# Altium PCB miniBackplane.PcbDoc (part 21 of 24) (continued)
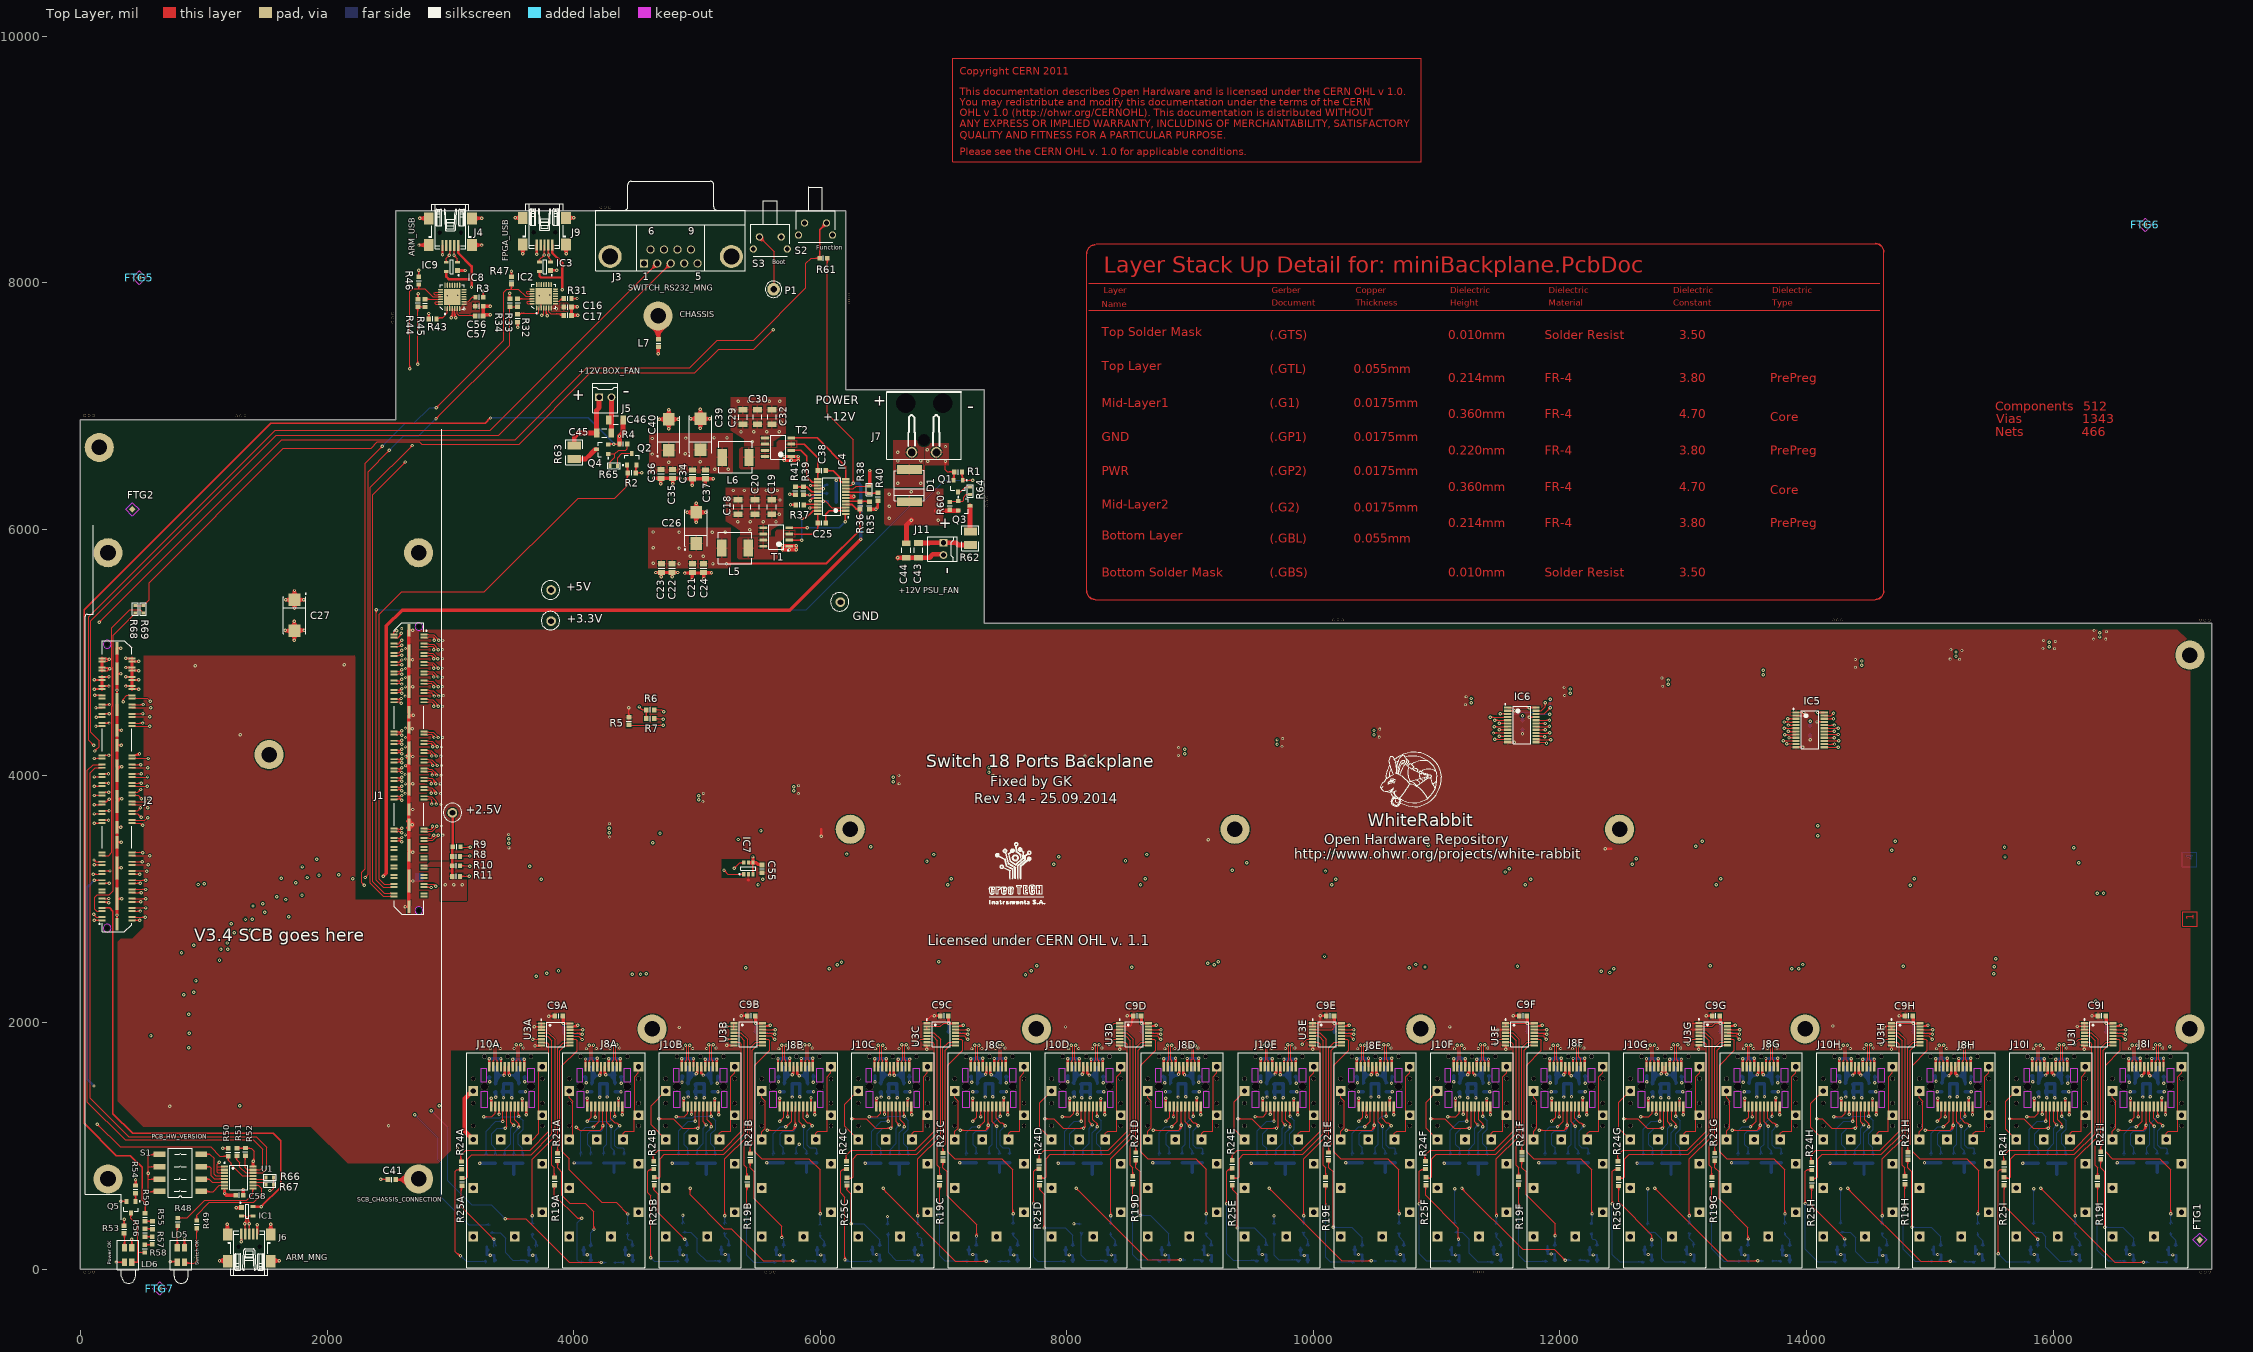
[diagram p0: Top Layer view]
## Nets (pads, with @x,y where several pads share a name; then routed paths per layer and width w, separated by ;. In a path a pad name is that pad's centre, name@x,y a point inside that pad or via, vN(x,y) a via of type N, cw(c..) or ccw(c..) an arc to the next point about the centre after c; other vN are vias at no path point) (continued)
  Bottom Layer w7.87: v1(15555.69,122.52) 15619.15,59.06 LD4I.2@15817.97,59.06 ; 15572.49,105.72 ccw(c15555.69,88.92) 15555.69,112.68 cw(c15555.69,88.92) 15572.49,105.72 ; 15572.49,105.72 cw(c15589.3,122.52) 15565.54,122.52 ccw(c15589.3,122.52) 15572.49,105.72 ; 15784.7,59.06 ccw(c15784.7,88.39) 15805.44,67.65 cw(c15784.7,88.39) 15784.7,59.06 ; 15784.7,59.06 cw(c15784.7,21.86) 15811.01,48.17 ccw(c15784.7,21.86) 15784.7,59.06 ; 15765.69,59.06 cw(c15765.69,2.85) 15805.44,42.6 ccw(c15765.69,2.85) 15765.69,59.06
NetLD4I_3: LD4I.3 R25I.2 | length 1132.9
  Top Layer w7.87: 15605.69,662.13 15605.69,513.46 v1(15877.02,242.13) ; 15861.55,256.12 cw(c15856.68,237.97) v1@15875.09,241.74 ; 15863.03,257.61 ccw(c15881.19,262.48) v1@15877.42,244.06 ; 15605.69,662.12 ccw(c15599.64,662.12) 15601.39,667.92 cw(c15599.64,662.12) 15605.69,662.12 ; 15605.69,662.12 cw(c15612.04,662.12) 15609.93,668.11 ccw(c15612.04,662.12) 15605.69,662.12 ; 15860.22,258.94 ccw(c15877.02,275.74) 15877.02,251.98 cw(c15877.02,275.74) 15860.22,258.94 ; 15860.22,258.94 cw(c15843.42,242.13) 15867.18,242.13 ccw(c15843.42,242.13) 15860.22,258.94 ; R25I.2@15595.63,671.37 cw(c15571.32,647.06) 15605.69,647.06 ccw(c15571.32,647.06) R25I.2@15595.63,671.37 ; 15605.69,648.62 cw(c15637.86,648.62) 15615.11,671.37 ccw(c15637.86,648.62) 15605.69,648.62
  Bottom Layer w7.87: LD4I.3@15877.02,177.17 v1(15877.02,242.13) ; 15877.02,204.87 ccw(c15900.79,204.87) 15883.98,188.07 cw(c15900.79,204.87) 15877.02,204.87 ; 15877.02,204.87 cw(c15853.26,204.87) 15870.06,188.07 ccw(c15853.26,204.87) 15877.02,204.87 ; 15877.02,218.37 ccw(c15853.26,218.37) 15870.06,235.17 cw(c15853.26,218.37) 15877.02,218.37 ; 15877.02,218.37 cw(c15900.79,218.37) 15883.98,235.17 ccw(c15900.79,218.37) 15877.02,218.37 ; 15877.02,223.88 ccw(c15919.79,223.88) 15889.55,193.64 cw(c15919.79,223.88) 15877.02,223.88 ; 15877.02,223.88 cw(c15834.25,223.88) 15864.5,193.64 ccw(c15834.25,223.88) 15877.02,223.88
NetLD5_2: LD5.2 R49.2 | length 611.9
  Top Layer w7.87: LD5.2@844.53,59.94 856.47,48 923,48 944,69 R49.2@944,330.5 ; LD5.2@850.78,40.13 cw(c869.79,21.12) 869.79,48 ; LD5.2@851.49,59.03 ccw(c878.12,85.66) 878.12,48 ; LD5.2@856.35,34.56 cw(c888.8,2.11) 888.8,48 ; LD5.2@856.35,59.61 ccw(c884.39,87.65) 884.39,48 ; LD5.2@857.06,39.54 cw(c877.47,19.13) 877.47,48 ; LD5.2@857.06,64.6 ccw(c897.13,104.67) 897.13,48 ; R49.2@934.26,320.76 cw(c910.73,297.24) 944,297.24 cw(c977.27,297.24) R49.2@953.74,320.76
NetLD5_3: LD5.3 R48.2 | length 519.2
  Top Layer w7.87: LD5.3@772.24,193.47 ccw(c740.28,225.43) 785.47,225.43 ; LD5.3@772.94,198.46 ccw(c742.7,228.7) 785.47,228.7 ccw(c828.24,228.7) LD5.3@798,198.46 ; LD5.3@777.8,187.9 ccw(c759.29,206.42) 785.47,206.42 ; LD5.3@778.51,192.89 ccw(c761.71,209.69) 785.47,209.69 ccw(c809.23,209.69) LD5.3@792.43,192.89 ; LD5.3@785.47,178.06 785.47,347.98 R48.2@789,351.5 ; 785.47,203 ccw(c806.81,203) LD5.3@791.72,187.9 ; 785.47,222.01 ccw(c825.82,222.01) LD5.3@797.29,193.47 ; R48.2@777.29,341.76 cw(c757.53,322) 785.47,322 ccw(c757.53,322) R48.2@777.29,341.76 ; 785.47,314.47 cw(c824.06,314.47) 796.78,341.76 ccw(c824.06,314.47) 785.47,314.47 ; 785.47,333.48 cw(c805.05,333.48) 791.21,347.33 ccw(c805.05,333.48) 785.47,333.48
NetLD6_2: LD6.2 Q5.2 R58.2 | length 915.8
  Top Layer w7.87: Q5.2@410,454.76 410,411 466,355 466,135 ; LD6.2@416.53,56.94 464.94,56.94 466,58 466,135 ; LD6.2@423.49,48 cw(c445.08,26.41) 445.08,56.94 ; LD6.2@423.49,49.99 cw(c440.29,33.18) 440.29,56.94 cw(c440.29,80.71) LD6.2@423.49,63.9 ; LD6.2@429.06,42.43 cw(c464.09,7.4) 464.09,56.94 ; LD6.2@429.06,44.42 cw(c459.3,14.17) 459.3,56.94 cw(c459.3,99.72) LD6.2@429.06,69.47 ; LD6.2@429.06,67.49 ccw(c454.51,92.94) 454.51,56.94 ; R58.2@522,134.5 466.5,134.5 466,135 ; 410,422.3 ccw(c381.49,422.3) 401.65,442.47 cw(c381.49,422.3) 410,422.3 ; 410,422.3 cw(c438.51,422.3) 418.35,442.47 ccw(c438.51,422.3) 410,422.3 ; 486.76,134.5 ccw(c486.76,167.77) 510.29,144.25 cw(c486.76,167.77) 486.76,134.5 ; 486.76,134.5 cw(c486.76,101.24) 510.29,124.76 ccw(c486.76,101.24) 486.76,134.5
NetLD6_3: LD6.3 R53.2 | length 459.9
  Top Layer w7.87: LD6.3@344.94,193.47 ccw(c314.7,223.72) 357.47,223.72 ccw(c400.24,223.72) LD6.3@370,193.47 ; LD6.3@344.94,195.46 ccw(c314.7,225.7) 357.47,225.7 ccw(c400.24,225.7) LD6.3@370,195.46 ; LD6.3@350.51,187.9 ccw(c333.71,204.71) 357.47,204.71 ccw(c381.23,204.71) LD6.3@364.43,187.9 ; LD6.3@350.51,189.89 ccw(c333.71,206.69) 357.47,206.69 ccw(c381.23,206.69) LD6.3@364.43,189.89 ; R53.2@354,289.5 357.47,286.03 LD6.3@357.47,175.06 ; R53.2@346.22,279.76 cw(c319.07,252.61) 357.47,252.61 ccw(c319.07,252.61) R53.2@346.22,279.76 ; R53.2@351.79,285.33 cw(c338.08,271.62) 357.47,271.62 ccw(c338.08,271.62) R53.2@351.79,285.33 ; 357.47,259.87 cw(c385.6,259.87) 365.71,279.76 ccw(c385.6,259.87) 357.47,259.87
NetP1_1: P1.1 R68.1 R69.1 S3.2 | length 7562.5
  Top Layer w6: R68.1@444,5380.51 508.98,5380.51 557,5428.53 557,5568 1647,6658 2358,6658 2409,6709 2748,6709 2767,6690 3559,6690 4137,7268 4984,7268 5178,7462 5462,7462 5618,7618 v1(5620,7618)
  Top Layer w7.87: S3.2@5493.34,8369.24 ccw(c5526.23,8375.97) 5517.54,8343.54 ; S3.2@5501.05,8370.82 ccw(c5540.18,8378.83) 5529.84,8340.24 ; S3.2@5506.81,8370.03 cw(c5506.51,8345.84) 5529.88,8352.1 ; S3.2@5506.83,8372 5629,8249.83 5629,7954 P1.1@5622,7947 ; S3.2@5508.02,8377.79 cw(c5500.01,8338.65) 5538.59,8348.99 ; S3.2@5508.8,8372.02 ccw(c5532.99,8372.32) 5526.73,8348.95 ; S3.2@5509.6,8385.5 cw(c5502.86,8352.61) 5535.29,8361.3 ; 5537.08,8341.76 ccw(c5506.83,8311.51) 5506.83,8354.28 cw(c5506.83,8311.51) 5537.08,8341.76 ; 5537.08,8341.76 cw(c5567.32,8372) 5524.55,8372 ccw(c5567.32,8372) 5537.08,8341.76 ; 5550.52,8328.31 ccw(c5506.83,8284.63) 5506.83,8346.41 cw(c5506.83,8284.63) 5550.52,8328.31 ; 5550.52,8328.31 cw(c5594.21,8372) 5532.43,8372 ccw(c5594.21,8372) 5550.52,8328.31
  Mid-Layer 1 w6: v1(5620,7618) 5620,7945 P1.1@5622,7947
NetQ1_2: Q1.2 R64.2 | length 114.5
  Top Layer w7.87: Q1.2@7119,6303.76 7140.65,6303.76 7180.41,6343.51 R64.2@7217,6343.51
NetQ2_2: Q2.2 R65.2 | length 196
  Top Layer w7.87: R65.2@4357.51,6514 4357.51,6581.51 4391.24,6615.24 Q2.2@4472,6615.24
NetQ3_1: Q3.1 R60.2 R64.1 | length 206.5
  Top Layer w7.87: R60.2@7051,6221.5 7057.71,6228.21 Q3.1@7120.17,6228.21 7155.21,6228.21 7163,6236 7163,6262 7183.49,6282.49 R64.1@7217,6282.49
NetQ3_2: Q3.2 R62.1 | length 210.5
  Top Layer w39.37: Q3.2@7214.66,6190.81 7214.66,5986.46 R62.1@7219,5982.12
NetQ4_1: Q4.1 R4.2 R65.1 | length 322.3
  Top Layer w7.87: Q4.1@4281.24,6611.6 4334.6,6611.6 ; R65.1@4296.49,6514 4296.49,6547.49 4334.6,6585.6 4334.6,6611.6 ; R4.2@4435.5,6692 4435.5,6655.5 4423,6643 4366,6643 4334.6,6611.6
NetQ4_2: Q4.2 R63.1 | length 214.5
  Top Layer w39.37: R63.1@4005,6569.88 4098.88,6569.88 4178,6649 Q4.2@4186.76,6649
NetQ5_1: Q5.1 R59.1 | length 259.5
  Top Layer w7.87: R59.1@447,614.5 447,549.65 Q5.1@447.4,549.24 ; 447,581.24 ccw(c413.73,581.24) 437.26,604.76 cw(c413.73,581.24) 447,581.24 ; 447,581.24 cw(c480.27,581.24) 456.74,604.76 ccw(c480.27,581.24) 447,581.24 ; Q5.1@439.05,561.53 ccw(c419.86,580.73) 447,580.73 cw(c419.86,580.73) Q5.1@439.05,561.53 ; 447,582.66 ccw(c476.89,582.66) 455.75,561.53 cw(c476.89,582.66) 447,582.66
NetR20A_1: R20A.1 U3A.13 | length 400.4
  Top Layer w7.87: U3A.13@3972.78,1912.79 v1@4061.83,1912.79 ; 4044.26,1908.2 ccw(c4052.3,1922.12) v1@4063.72,1910.82 ; 4053.1,1903.1 ccw(c4059.8,1914.7) v1@4069.32,1905.28 ; v1@4061.08,1901.95 ccw(c4047.75,1899.27) 4054.55,1911.04 ccw(c4059.14,1919) v1@4064.74,1911.71 ; U3A.13@3993.98,1918.24 ccw(c4007.13,1931.39) 4007.13,1912.79 cw(c4007.13,1931.39) U3A.13@3993.98,1918.24 ; 4025.5,1912.79 cw(c4025.5,1858.67) 4063.76,1896.94 ccw(c4025.5,1858.67) 4025.5,1912.79 ; 4044.51,1912.79 cw(c4044.51,1877.68) 4069.33,1902.51 ccw(c4044.51,1877.68) 4044.51,1912.79
  Bottom Layer w7.87: R20A.1@3990.72,1908.9 v1@4071.61,1908.9
  other v1: 4070.72,1903.9
NetR20B_1: R20B.1 U3B.13 | length 507.5
  Top Layer w7.87: U3B.13@5534.24,1914.44 v1@5623.29,1914.44 ; 5605.72,1909.85 ccw(c5613.75,1923.77) v1@5625.18,1912.47 ; 5614.55,1904.75 ccw(c5621.25,1916.36) v1@5630.78,1906.94 ; v1@5622.53,1903.61 ccw(c5609.21,1900.92) 5616,1912.7 ccw(c5620.6,1920.66) v1@5626.19,1913.36 ; U3B.13@5555.43,1919.89 ccw(c5568.59,1933.04) 5568.59,1914.44 cw(c5568.59,1933.04) U3B.13@5555.43,1919.89 ; 5586.96,1914.44 cw(c5586.96,1860.33) 5625.22,1898.59 ccw(c5586.96,1860.33) 5586.96,1914.44 ; 5605.97,1914.44 cw(c5605.97,1879.34) 5630.79,1904.16 ccw(c5605.97,1879.34) 5605.97,1914.44
  Bottom Layer w7.87: R20B.1@5538.68,1915.55 5622.18,1915.55 ; 5571.94,1915.55 ccw(c5571.94,1882.28) 5548.42,1905.81 cw(c5571.94,1882.28) 5571.94,1915.55 ; 5571.94,1915.55 cw(c5571.94,1948.82) 5548.42,1925.29 ccw(c5571.94,1948.82) 5571.94,1915.55
  other v1: 5632.18,1905.55
NetR20C_1: R20C.1 U3C.13 | length 507.5
  Top Layer w7.87: U3C.13@7099.24,1914.45 v1@7188.29,1914.45 ; 7170.72,1909.86 ccw(c7178.75,1923.78) v1@7190.18,1912.48 ; 7179.55,1904.76 ccw(c7186.25,1916.36) v1@7195.78,1906.94 ; v1@7187.53,1903.62 ccw(c7174.21,1900.93) 7181,1912.7 ccw(c7185.6,1920.66) v1@7191.19,1913.37 ; U3C.13@7120.43,1919.9 ccw(c7133.59,1933.05) 7133.59,1914.45 cw(c7133.59,1933.05) U3C.13@7120.43,1919.9 ; 7151.96,1914.45 cw(c7151.96,1860.34) 7190.22,1898.6 ccw(c7151.96,1860.34) 7151.96,1914.45 ; 7170.97,1914.45 cw(c7170.97,1879.35) 7195.79,1904.17 ccw(c7170.97,1879.35) 7170.97,1914.45
  Bottom Layer w7.87: R20C.1@7103.68,1915.56 7187.18,1915.56 ; 7136.94,1915.56 ccw(c7136.94,1882.29) 7113.42,1905.82 cw(c7136.94,1882.29) 7136.94,1915.56 ; 7136.94,1915.56 cw(c7136.94,1948.83) 7113.42,1925.3 ccw(c7136.94,1948.83) 7136.94,1915.56
  other v1: 7197.18,1905.56
NetR20D_1: R20D.1 U3D.13 | length 507.5
  Top Layer w7.87: U3D.13@8664.24,1914.45 v1@8753.29,1914.45 ; 8735.72,1909.86 ccw(c8743.75,1923.78) v1@8755.18,1912.48 ; 8744.55,1904.76 ccw(c8751.25,1916.36) v1@8760.78,1906.94 ; v1@8752.53,1903.62 ccw(c8739.21,1900.93) 8746,1912.7 ccw(c8750.6,1920.66) v1@8756.19,1913.37 ; U3D.13@8685.43,1919.9 ccw(c8698.59,1933.05) 8698.59,1914.45 cw(c8698.59,1933.05) U3D.13@8685.43,1919.9 ; 8716.96,1914.45 cw(c8716.96,1860.34) 8755.22,1898.6 ccw(c8716.96,1860.34) 8716.96,1914.45 ; 8735.97,1914.45 cw(c8735.97,1879.35) 8760.79,1904.17 ccw(c8735.97,1879.35) 8735.97,1914.45
  Bottom Layer w7.87: R20D.1@8668.68,1915.56 8752.18,1915.56 ; 8701.94,1915.56 ccw(c8701.94,1882.29) 8678.42,1905.82 cw(c8701.94,1882.29) 8701.94,1915.56 ; 8701.94,1915.56 cw(c8701.94,1948.83) 8678.42,1925.3 ccw(c8701.94,1948.83) 8701.94,1915.56
  other v1: 8762.18,1905.56
NetR20E_1: R20E.1 U3E.13 | length 507.5
  Top Layer w7.87: U3E.13@10229.24,1914.45 v1@10318.29,1914.45 ; 10300.72,1909.86 ccw(c10308.75,1923.78) v1@10320.18,1912.48 ; 10309.55,1904.76 ccw(c10316.25,1916.36) v1@10325.78,1906.94 ; v1@10317.53,1903.62 ccw(c10304.21,1900.93) 10311,1912.7 ccw(c10315.6,1920.66) v1@10321.19,1913.37 ; U3E.13@10250.43,1919.9 ccw(c10263.59,1933.05) 10263.59,1914.45 cw(c10263.59,1933.05) U3E.13@10250.43,1919.9 ; 10281.96,1914.45 cw(c10281.96,1860.34) 10320.22,1898.6 ccw(c10281.96,1860.34) 10281.96,1914.45 ; 10300.97,1914.45 cw(c10300.97,1879.35) 10325.79,1904.17 ccw(c10300.97,1879.35) 10300.97,1914.45
  Bottom Layer w7.87: R20E.1@10233.68,1915.56 10317.18,1915.56 ; 10266.94,1915.56 ccw(c10266.94,1882.29) 10243.42,1905.82 cw(c10266.94,1882.29) 10266.94,1915.56 ; 10266.94,1915.56 cw(c10266.94,1948.83) 10243.42,1925.3 ccw(c10266.94,1948.83) 10266.94,1915.56
  other v1: 10327.18,1905.56
NetR20F_1: R20F.1 U3F.13 | length 507.5
  Top Layer w7.87: U3F.13@11793.8,1914.45 v1@11882.86,1914.45 ; 11865.28,1909.86 ccw(c11873.32,1923.78) v1@11884.75,1912.48 ; 11874.12,1904.76 ccw(c11880.82,1916.36) v1@11890.35,1906.94 ; v1@11882.1,1903.62 ccw(c11868.78,1900.93) 11875.57,1912.7 ccw(c11880.17,1920.66) v1@11885.76,1913.37 ; U3F.13@11815,1919.9 ccw(c11828.15,1933.05) 11828.15,1914.45 cw(c11828.15,1933.05) U3F.13@11815,1919.9 ; 11846.52,1914.45 cw(c11846.52,1860.34) 11884.79,1898.6 ccw(c11846.52,1860.34) 11846.52,1914.45 ; 11865.53,1914.45 cw(c11865.53,1879.35) 11890.36,1904.17 ccw(c11865.53,1879.35) 11865.53,1914.45
  Bottom Layer w7.87: R20F.1@11798.24,1915.56 11881.75,1915.56 ; 11831.51,1915.56 ccw(c11831.51,1882.29) 11807.99,1905.82 cw(c11831.51,1882.29) 11831.51,1915.56 ; 11831.51,1915.56 cw(c11831.51,1948.83) 11807.99,1925.3 ccw(c11831.51,1948.83) 11831.51,1915.56
  other v1: 11891.75,1905.56
NetR20G_1: R20G.1 U3G.13 | length 527.2
  Top Layer w7.87: U3G.13@13358.8,1914.45 v1@13447.86,1914.45 ; U3G.13@13383.67,1915.16 cw(c13388.86,1910.82) 13392.24,1916.68 ; 13430.28,1909.86 ccw(c13438.32,1923.78) v1@13449.75,1912.48 ; 13439.12,1904.76 ccw(c13445.82,1916.36) v1@13455.35,1906.94 ; v1@13447.1,1903.62 ccw(c13433.78,1900.93) 13440.57,1912.7 ccw(c13445.17,1920.66) v1@13450.76,1913.37 ; U3G.13@13383.38,1921.79 ccw(c13401.11,1939.53) 13401.11,1914.45 cw(c13401.11,1939.53) U3G.13@13383.38,1921.79 ; 13411.52,1914.45 cw(c13411.52,1860.34) 13449.79,1898.6 ccw(c13411.52,1860.34) 13411.52,1914.45 ; 13430.53,1914.45 cw(c13430.53,1879.35) 13455.36,1904.17 ccw(c13430.53,1879.35) 13430.53,1914.45
  Bottom Layer w7.87: R20G.1@13363.24,1915.56 13446.75,1915.56 ; 13396.51,1915.56 ccw(c13396.51,1882.29) 13372.99,1905.82 cw(c13396.51,1882.29) 13396.51,1915.56 ; 13396.51,1915.56 cw(c13396.51,1948.83) 13372.99,1925.3 ccw(c13396.51,1948.83) 13396.51,1915.56
  other v1: 13456.75,1905.56
NetR20H_1: R20H.1 U3H.13 | length 507.5
  Top Layer w7.87: U3H.13@14923.8,1914.45 v1@15012.86,1914.45 ; 14995.28,1909.86 ccw(c15003.32,1923.78) v1@15014.75,1912.48 ; 15004.12,1904.76 ccw(c15010.82,1916.36) v1@15020.35,1906.94 ; v1@15012.1,1903.62 ccw(c14998.78,1900.93) 15005.57,1912.7 ccw(c15010.17,1920.66) v1@15015.76,1913.37 ; U3H.13@14945,1919.9 ccw(c14958.15,1933.05) 14958.15,1914.45 cw(c14958.15,1933.05) U3H.13@14945,1919.9 ; 14976.52,1914.45 cw(c14976.52,1860.34) 15014.79,1898.6 ccw(c14976.52,1860.34) 14976.52,1914.45 ; 14995.53,1914.45 cw(c14995.53,1879.35) 15020.36,1904.17 ccw(c14995.53,1879.35) 14995.53,1914.45
  Bottom Layer w7.87: R20H.1@14928.24,1915.56 15011.75,1915.56 ; 14961.51,1915.56 ccw(c14961.51,1882.29) 14937.99,1905.82 cw(c14961.51,1882.29) 14961.51,1915.56 ; 14961.51,1915.56 cw(c14961.51,1948.83) 14937.99,1925.3 ccw(c14961.51,1948.83) 14961.51,1915.56
  other v1: 15021.75,1905.56
NetR20I_1: R20I.1 U3I.13 | length 507.5
  Top Layer w7.87: U3I.13@16488.8,1914.45 v1@16577.86,1914.45 ; 16560.28,1909.86 ccw(c16568.32,1923.78) v1@16579.75,1912.48 ; 16569.12,1904.76 ccw(c16575.82,1916.36) v1@16585.35,1906.94 ; v1@16577.1,1903.62 ccw(c16563.78,1900.93) 16570.57,1912.7 ccw(c16575.17,1920.66) v1@16580.76,1913.37 ; U3I.13@16510,1919.9 ccw(c16523.15,1933.05) 16523.15,1914.45 cw(c16523.15,1933.05) U3I.13@16510,1919.9 ; 16541.52,1914.45 cw(c16541.52,1860.34) 16579.79,1898.6 ccw(c16541.52,1860.34) 16541.52,1914.45 ; 16560.53,1914.45 cw(c16560.53,1879.35) 16585.36,1904.17 ccw(c16560.53,1879.35) 16560.53,1914.45
  Bottom Layer w7.87: R20I.1@16493.24,1915.56 16576.75,1915.56 ; 16526.51,1915.56 ccw(c16526.51,1882.29) 16502.99,1905.82 cw(c16526.51,1882.29) 16526.51,1915.56 ; 16526.51,1915.56 cw(c16526.51,1948.83) 16502.99,1925.3 ccw(c16526.51,1948.83) 16526.51,1915.56
  other v1: 16586.75,1905.56
NetR54_2: R54.2 R55.1 | length 303
  Top Layer w7.87: R54.2@524,388.5 581.99,388.5 R55.1@584,386.5 ; 559.24,388.5 ccw(c559.24,355.24) 535.71,378.76 cw(c559.24,355.24) 559.24,388.5 ; 559.24,388.5 cw(c559.24,421.77) 535.71,398.25 ccw(c559.24,421.77) 559.24,388.5 ; 543.92,388.5 cw(c543.92,348.38) 572.29,376.75 ccw(c543.92,348.38) 543.92,388.5 ; 553.61,388.5 ccw(c553.61,414.92) 572.29,396.24 cw(c553.61,414.92) 553.61,388.5 ; 562.93,388.5 cw(c562.93,367.39) 577.86,382.32 ccw(c562.93,367.39) 562.93,388.5
NetR55_2: R55.2 R56.1 | length 302.9
  Top Layer w7.87: R56.1@524,325.5 582.01,325.5 R55.2@584,323.5 ; 559.24,325.5 ccw(c559.24,292.23) 535.71,315.75 cw(c559.24,292.23) 559.24,325.5 ; 559.24,325.5 cw(c559.24,358.76) 535.71,335.24 ccw(c559.24,358.76) 559.24,325.5 ; 543.96,325.5 cw(c543.96,285.43) 572.29,313.76 ccw(c543.96,285.43) 543.96,325.5 ; 553.57,325.5 ccw(c553.57,351.96) 572.29,333.25 cw(c553.57,351.96) 553.57,325.5 ; 562.96,325.5 cw(c562.96,304.44) 577.86,319.33 ccw(c562.96,304.44) 562.96,325.5
NetR56_2: R56.2 R57.1 | length 267.4
  Top Layer w7.87: R56.2@524,262.5 581.01,262.5 R57.1@582,263.5 ; 559.24,262.5 ccw(c559.24,229.24) 535.71,252.76 cw(c559.24,229.24) 559.24,262.5 ; 559.24,262.5 cw(c559.24,295.77) 535.71,272.25 ccw(c559.24,295.77) 559.24,262.5 ; 544.37,262.5 ccw(c544.37,299.16) 570.29,273.24 cw(c544.37,299.16) 544.37,262.5 ; 549.16,262.5 cw(c549.16,232.62) 570.29,253.75 ccw(c549.16,232.62) 549.16,262.5
NetR57_2: R57.2 R58.1 | length 422.5
  Top Layer w7.87: R58.1@522,197.5 578.99,197.5 R57.2@582,200.5 ; R58.1@533.78,207.17 ccw(c549.01,222.18) 554.54,201.53 ; R58.1@533.78,207.17 ccw(c549.01,222.18) 554.54,201.53 ; R58.1@533.78,207.17 ccw(c549.01,222.18) 554.54,201.53 ; R58.1@535.9,190.61 cw(c552.82,180.84) 547.77,199.71 ; R58.1@535.9,190.61 cw(c552.82,180.84) 547.77,199.71 ; R58.1@535.9,190.61 cw(c552.82,180.84) 547.77,199.71 ; 557.24,197.5 ccw(c557.24,164.23) 533.71,187.75 cw(c557.24,164.23) 557.24,197.5 ; 557.24,197.5 cw(c557.24,230.76) 533.71,207.24 ccw(c557.24,230.76) 557.24,197.5 ; R58.1@539.5,197.5 ccw(c539.5,241.03) 570.29,210.25 cw(c539.5,241.03) R58.1@539.5,197.5 ; 554.03,197.5 cw(c554.03,174.5) 570.29,190.76 ccw(c554.03,174.5) 554.03,197.5 ; 558.51,197.5 ccw(c558.51,222.02) 575.86,204.68 cw(c558.51,222.02) 558.51,197.5
NetR66_1: R66.1 U1.12 | length 111.1
  Top Layer w7.87: U1.12@1401.14,729.2 1492.69,729.2 R66.1@1506.49,743
NetR67_1: R67.1 U1.11 | length 111.6
  Top Layer w7.87: U1.11@1401.14,703.61 1487.87,703.61 R67.1@1505.49,686
PCB_HW_V_0: S1.1 U1.7 | length 425.5
  Top Layer w7.87: S1.1@1016,629 1078,629 1127.02,678.02 U1.7@1168.86,678.02 ; 1137.29,678.02 ccw(c1137.29,689.9) 1145.69,681.5 cw(c1137.29,689.9) 1137.29,678.02 ; 1137.29,678.02 cw(c1137.29,666.14) 1145.69,674.54 ccw(c1137.29,666.14) 1137.29,678.02 ; S1.1@1013.22,622.76 cw(c1028.28,607.7) 1028.28,629 ccw(c1028.28,607.7) S1.1@1013.22,622.76 ; S1.1@1013.22,637.24 ccw(c1033.11,657.13) 1033.11,629 cw(c1033.11,657.13) S1.1@1013.22,637.24 ; S1.1@1018.79,617.19 cw(c1047.29,588.69) 1047.29,629 ccw(c1047.29,588.69) S1.1@1018.79,617.19 ; S1.1@1018.79,642.81 ccw(c1052.12,676.14) 1052.12,629 cw(c1052.12,676.14) S1.1@1018.79,642.81
PCB_HW_V_1: S1.2 U1.6 | length 349.6
  Top Layer w7.87: S1.2@1016,729 1045,729 ; U1.6@1168.86,703.61 1070.39,703.61 1045,729 ; 1045,729 ccw(c1045,694.08) 1019.31,717.73 cw(c1045,694.08) 1045,729 ; 1045,729 cw(c1045,760.27) 1020.29,741.1 ccw(c1045,760.27) 1045,729 ; 1137.29,703.61 ccw(c1137.29,715.49) 1145.69,707.09 cw(c1137.29,715.49) 1137.29,703.61 ; 1137.29,703.61 cw(c1137.29,691.73) 1145.69,700.13 ccw(c1137.29,691.73) 1137.29,703.61 ; S1.2@1014.07,736.27 ccw(c1028.92,747.8) 1028.92,729 cw(c1028.92,747.8) S1.2@1014.07,736.27
PCB_HW_V_2: S1.3 U1.5 | length 466.3
  Top Layer w7.87: S1.3@1016,829 1049,829 ; U1.5@1168.86,729.2 1166.06,732 1086,732 1062,756 1062,816 1049,829 ; 1049,829 cw(c1049,868.85) 1019.42,842.14 ccw(c1049,868.85) 1049,829 ; S1.3@1013.22,822.76 cw(c1028.28,807.7) 1028.28,829 ccw(c1028.28,807.7) S1.3@1013.22,822.76 ; S1.3@1013.58,836.86 ccw(c1031.27,852.84) 1031.27,829 cw(c1031.27,852.84) S1.3@1013.58,836.86 ; S1.3@1018.79,817.19 cw(c1047.29,788.69) 1047.29,829 ccw(c1047.29,788.69) S1.3@1018.79,817.19 ; 1130.54,732 cw(c1130.54,710.58) 1145.69,725.72 ccw(c1130.54,710.58) 1130.54,732
PCB_HW_V_3: S1.4 U1.4 | length 512.3
  Top Layer w7.87: S1.4@1016,929 1019.36,932.36 1050.64,932.36 ; U1.4@1168.86,754.8 1098.2,754.8 1085,768 1085,898 1050.64,932.36 ; 1050.64,932.36 ccw(c1050.64,891.52) 1019.7,918.18 cw(c1050.64,891.52) 1050.64,932.36 ; 1137.29,754.8 ccw(c1137.29,766.68) 1145.69,758.28 cw(c1137.29,766.68) 1137.29,754.8 ; 1137.29,754.8 cw(c1137.29,742.91) 1145.69,751.32 ccw(c1137.29,742.91) 1137.29,754.8 ; S1.4@1013.74,923.32 cw(c1033.46,906.32) 1033.46,932.36 ccw(c1033.46,906.32) S1.4@1013.74,923.32 ; S1.4@1018.79,942.81 ccw(c1044.01,968.03) 1044.01,932.36 cw(c1044.01,968.03) S1.4@1018.79,942.81
RS232_MNG_RXD: J2.3 J3.3 | length 9524.6
  Top Layer w7.87: v1@106.11,2874.57 cw(c102.33,2856.16) 120.49,2861.02 ; v1(106.5,2876.5) 129.21,2853.79 J2.3@174.94,2853.79 ; v1@108.43,2876.89 ccw(c126.84,2880.67) 121.98,2862.51 ; v1@114.61,4203.93 ccw(c110.83,4222.34) 128.99,4217.48 ; v1(115,4202) 151,4238 151,4285 83,4353 83,5258 1587,6762 3392.92,6762 J3.3@4788,8157.08 ; v1@116.93,4201.61 cw(c135.34,4197.83) 130.48,4215.99 ; 4749.67,8123.51 cw(c4797.5,8110.7) J3.3@4787.57,8159.2 ; 4752.97,8135.82 cw(c4794.64,8124.65) J3.3@4785.99,8166.91 ; 4754.43,8118.75 ccw(c4741.62,8166.58) J3.3@4790.12,8156.64 ; 4758.54,8127.73 ccw(c4750.24,8158.72) J3.3@4782.3,8157.33 ; 4758.65,8127.62 cw(c4789.65,8119.32) J3.3@4788.25,8151.38 ; 4766.74,8122.05 ccw(c4755.57,8163.72) J3.3@4797.84,8155.06 ; 123.3,2859.7 ccw(c106.5,2842.9) 106.5,2866.66 cw(c106.5,2842.9) 123.3,2859.7 ; 123.3,2859.7 cw(c140.1,2876.5) 116.34,2876.5 ccw(c140.1,2876.5) 123.3,2859.7 ; 131.8,4218.8 ccw(c148.6,4202) 124.84,4202 cw(c148.6,4202) 131.8,4218.8 ; 131.8,4218.8 cw(c115,4235.6) 115,4211.84 ccw(c115,4235.6) 131.8,4218.8 ; 144.77,2853.79 ccw(c144.77,2863.3) 151.49,2856.58 cw(c144.77,2863.3) 144.77,2853.79 ; 144.77,2853.79 cw(c144.77,2844.29) 151.49,2851.01 ccw(c144.77,2844.29) 144.77,2853.79 ; 4737.93,8107.01 ccw(c4687.86,8157.08) 4758.67,8157.08 cw(c4687.86,8157.08) 4737.93,8107.01 ; 4737.93,8107.01 cw(c4788,8056.94) 4788,8127.75 ccw(c4788,8056.94) 4737.93,8107.01 ; 4751.37,8120.45 ccw(c4714.74,8157.08) 4766.54,8157.08 cw(c4714.74,8157.08) 4751.37,8120.45 ; 4751.37,8120.45 cw(c4788,8083.82) 4788,8135.62 ccw(c4788,8083.82) 4751.37,8120.45
  Mid-Layer 1 w7.09: v1(106.5,2876.5) 78,2905 78,4165 v1(115,4202) ; 89.03,2893.97 ccw(c106.5,2911.45) 106.5,2886.74 cw(c106.5,2911.45) 89.03,2893.97 ; 89.03,2893.97 cw(c71.55,2876.5) 96.26,2876.5 ccw(c71.55,2876.5) 89.03,2893.97 ; 97.53,4184.53 ccw(c80.05,4202) 104.76,4202 cw(c80.05,4202) 97.53,4184.53 ; 97.53,4184.53 cw(c115,4167.05) 115,4191.76 ccw(c115,4167.05) 97.53,4184.53
RS232_MNG_TXD: J2.1 J3.2 | length 9431.5
  Top Layer w7.87: 92.52,4260.99 cw(c87.66,4242.83) v1@106.07,4246.61 ; 94.01,4262.48 ccw(c112.17,4267.34) v1@108.39,4248.93 ; v1(108,4247) 66,4289 66,5289 1580,6803 3324.87,6803 J3.2@4678.94,8157.08 ; v1@110,2828 v1(110.79,2828.79) J2.1@174.94,2828.79 ; 4640.62,8123.51 cw(c4688.44,8110.7) J3.2@4678.51,8159.2 ; 4643.92,8135.82 cw(c4685.58,8124.65) J3.2@4676.93,8166.91 ; 4645.38,8118.75 ccw(c4632.56,8166.58) J3.2@4681.07,8156.64 ; 4649.49,8127.73 ccw(c4641.18,8158.72) J3.2@4673.24,8157.33 ; 4649.6,8127.62 cw(c4680.59,8119.32) J3.2@4679.19,8151.38 ; 4657.68,8122.05 ccw(c4646.52,8163.72) J3.2@4688.78,8155.06 ; 91.2,4263.8 ccw(c108,4280.6) 108,4256.84 cw(c108,4280.6) 91.2,4263.8 ; 91.2,4263.8 cw(c74.4,4247) 98.16,4247 ccw(c74.4,4247) 91.2,4263.8 ; 134.55,2828.79 ccw(c134.55,2805.03) 117.75,2821.83 cw(c134.55,2805.03) 134.55,2828.79 ; 134.55,2828.79 cw(c134.55,2852.55) 117.75,2835.75 ccw(c134.55,2852.55) 134.55,2828.79 ; 144.77,2828.79 ccw(c144.77,2838.3) 151.49,2831.58 cw(c144.77,2838.3) 144.77,2828.79 ; 144.77,2828.79 cw(c144.77,2819.29) 151.49,2826.01 ccw(c144.77,2819.29) 144.77,2828.79 ; 4628.87,8107.01 ccw(c4578.8,8157.08) 4649.61,8157.08 cw(c4578.8,8157.08) 4628.87,8107.01 ; 4628.87,8107.01 cw(c4678.94,8056.94) 4678.94,8127.75 ccw(c4678.94,8056.94) 4628.87,8107.01 ; 4642.32,8120.45 ccw(c4605.69,8157.08) 4657.49,8157.08 cw(c4605.69,8157.08) 4642.32,8120.45 ; 4642.32,8120.45 cw(c4678.94,8083.82) 4678.94,8135.62 ccw(c4678.94,8083.82) 4642.32,8120.45
  Mid-Layer 1 w7.09: v1(108,4247) 61,4200 61,2878.58 v1(110.79,2828.79) ; 90.53,4229.53 ccw(c73.05,4247) 97.76,4247 cw(c73.05,4247) 90.53,4229.53 ; 90.53,4229.53 cw(c108,4212.05) 108,4236.76 ccw(c108,4212.05) 90.53,4229.53 ; 93.32,2846.27 ccw(c110.79,2863.74) 110.79,2839.03 cw(c110.79,2863.74) 93.32,2846.27 ; 93.32,2846.27 cw(c75.84,2828.79) 100.56,2828.79 ccw(c75.84,2828.79) 93.32,2846.27
SFP0_TX_DISABLEA: J10A.3 U3A.6 | length 1396.8
  Top Layer w7.87: v1(3395.2,1254.43) J10A.3@3395.2,1318.39 ; v1@3669.29,1863.57 U3A.6@3738.53,1863.57 ; 3395.2,1274.6 ccw(c3380.94,1274.6) 3391.02,1284.68 cw(c3380.94,1274.6) 3395.2,1274.6 ; 3395.2,1274.6 cw(c3409.45,1274.6) 3399.37,1284.68 ccw(c3409.45,1274.6) 3395.2,1274.6 ; 3395.2,1278.19 ccw(c3418.96,1278.19) 3402.16,1261.38 cw(c3418.96,1278.19) 3395.2,1278.19 ; 3395.2,1278.19 cw(c3371.43,1278.19) 3388.24,1261.38 ccw(c3371.43,1278.19) 3395.2,1278.19 ; 3706.96,1863.57 ccw(c3706.96,1875.46) 3715.36,1867.05 cw(c3706.96,1875.46) 3706.96,1863.57 ; 3706.96,1863.57 cw(c3706.96,1851.69) 3715.36,1860.09 ccw(c3706.96,1851.69) 3706.96,1863.57 ; v1@3676.25,1856.23 cw(c3693.98,1838.5) 3693.98,1863.57 ccw(c3693.98,1838.5) v1@3676.25,1856.23 ; v1@3676.25,1870.15 ccw(c3692.12,1886.02) 3692.12,1863.57 cw(c3692.12,1886.02) v1@3676.25,1870.15
  Mid-Layer 2 w7.09: v1(3395.2,1254.43) 3454.67,1313.9 3595.72,1313.9 3709.67,1427.84 3709.67,1521.96 3679.67,1551.96 3679.67,1686.96 3699.67,1706.96 3699.67,1754.07 3642.72,1811.02 3642.72,1836.61 v1(3669.29,1863.19) ; 3412.67,1271.9 ccw(c3430.15,1254.43) 3405.43,1254.43 cw(c3430.15,1254.43) 3412.67,1271.9 ; 3412.67,1271.9 cw(c3395.2,1289.37) 3395.2,1264.66 ccw(c3395.2,1289.37) 3412.67,1271.9 ; 3651.82,1845.71 ccw(c3634.34,1863.19) 3659.06,1863.19 cw(c3634.34,1863.19) 3651.82,1845.71 ; 3651.82,1845.71 cw(c3669.29,1828.24) 3669.29,1852.95 ccw(c3669.29,1828.24) 3651.82,1845.71
SFP0_TX_DISABLEB: J10B.3 U3B.6 | length 1424.9
  Top Layer w7.87: J10B.3@4951.92,1285.32 cw(c4939.37,1275.92) 4954.52,1271.87 ; v1(4956.65,1256.08) J10B.3@4956.65,1320.04 ; 4958.79,1271.86 cw(c4973.94,1275.92) J10B.3@4961.38,1285.32 ; v1@5244.09,1865.23 U3B.6@5299.98,1865.23 ; 5263.78,1862.82 cw(c5268.58,1844.92) U3B.6@5277.84,1860.97 ; 4956.65,1274.6 ccw(c4942.4,1274.6) 4952.48,1284.68 cw(c4942.4,1274.6) 4956.65,1274.6 ; 4956.65,1274.6 cw(c4970.91,1274.6) 4960.83,1284.68 ccw(c4970.91,1274.6) 4956.65,1274.6 ; J10B.3@4956.65,1279.84 ccw(c4980.42,1279.84) 4963.61,1263.04 cw(c4980.42,1279.84) J10B.3@4956.65,1279.84 ; J10B.3@4956.65,1279.84 cw(c4932.89,1279.84) 4949.69,1263.04 ccw(c4932.89,1279.84) J10B.3@4956.65,1279.84 ; 5268.42,1865.23 ccw(c5268.42,1877.11) 5276.82,1868.71 cw(c5268.42,1877.11) 5268.42,1865.23 ; 5268.42,1865.23 cw(c5268.42,1853.35) 5276.82,1861.75 ccw(c5268.42,1853.35) 5268.42,1865.23 ; v1@5251.05,1856.23 cw(c5272.78,1834.5) 5272.78,1865.23 ccw(c5272.78,1834.5) v1@5251.05,1856.23 ; v1@5251.05,1870.15 ccw(c5262.93,1882.03) 5262.93,1865.23 cw(c5262.93,1882.03) v1@5251.05,1870.15
  Mid-Layer 2 w7.09: v1(4956.65,1256.08) 5016.13,1315.55 5157.18,1315.55 5271.13,1429.5 5271.13,1523.61 5241.13,1553.61 5241.13,1688.61 5261.13,1708.61 5261.13,1739.86 5210.63,1790.35 5210.63,1829.72 v1(5244.09,1863.19) ; 4974.13,1273.55 ccw(c4991.6,1256.08) 4966.89,1256.08 cw(c4991.6,1256.08) 4974.13,1273.55 ; 4974.13,1273.55 cw(c4956.65,1291.03) 4956.65,1266.31 ccw(c4956.65,1291.03) 4974.13,1273.55 ; 5226.62,1845.71 ccw(c5209.15,1863.19) 5233.86,1863.19 cw(c5209.15,1863.19) 5226.62,1845.71 ; 5226.62,1845.71 cw(c5244.09,1828.24) 5244.09,1852.95 ccw(c5244.09,1828.24) 5226.62,1845.71